# KiCad board combined.kicad_pcb (continued)
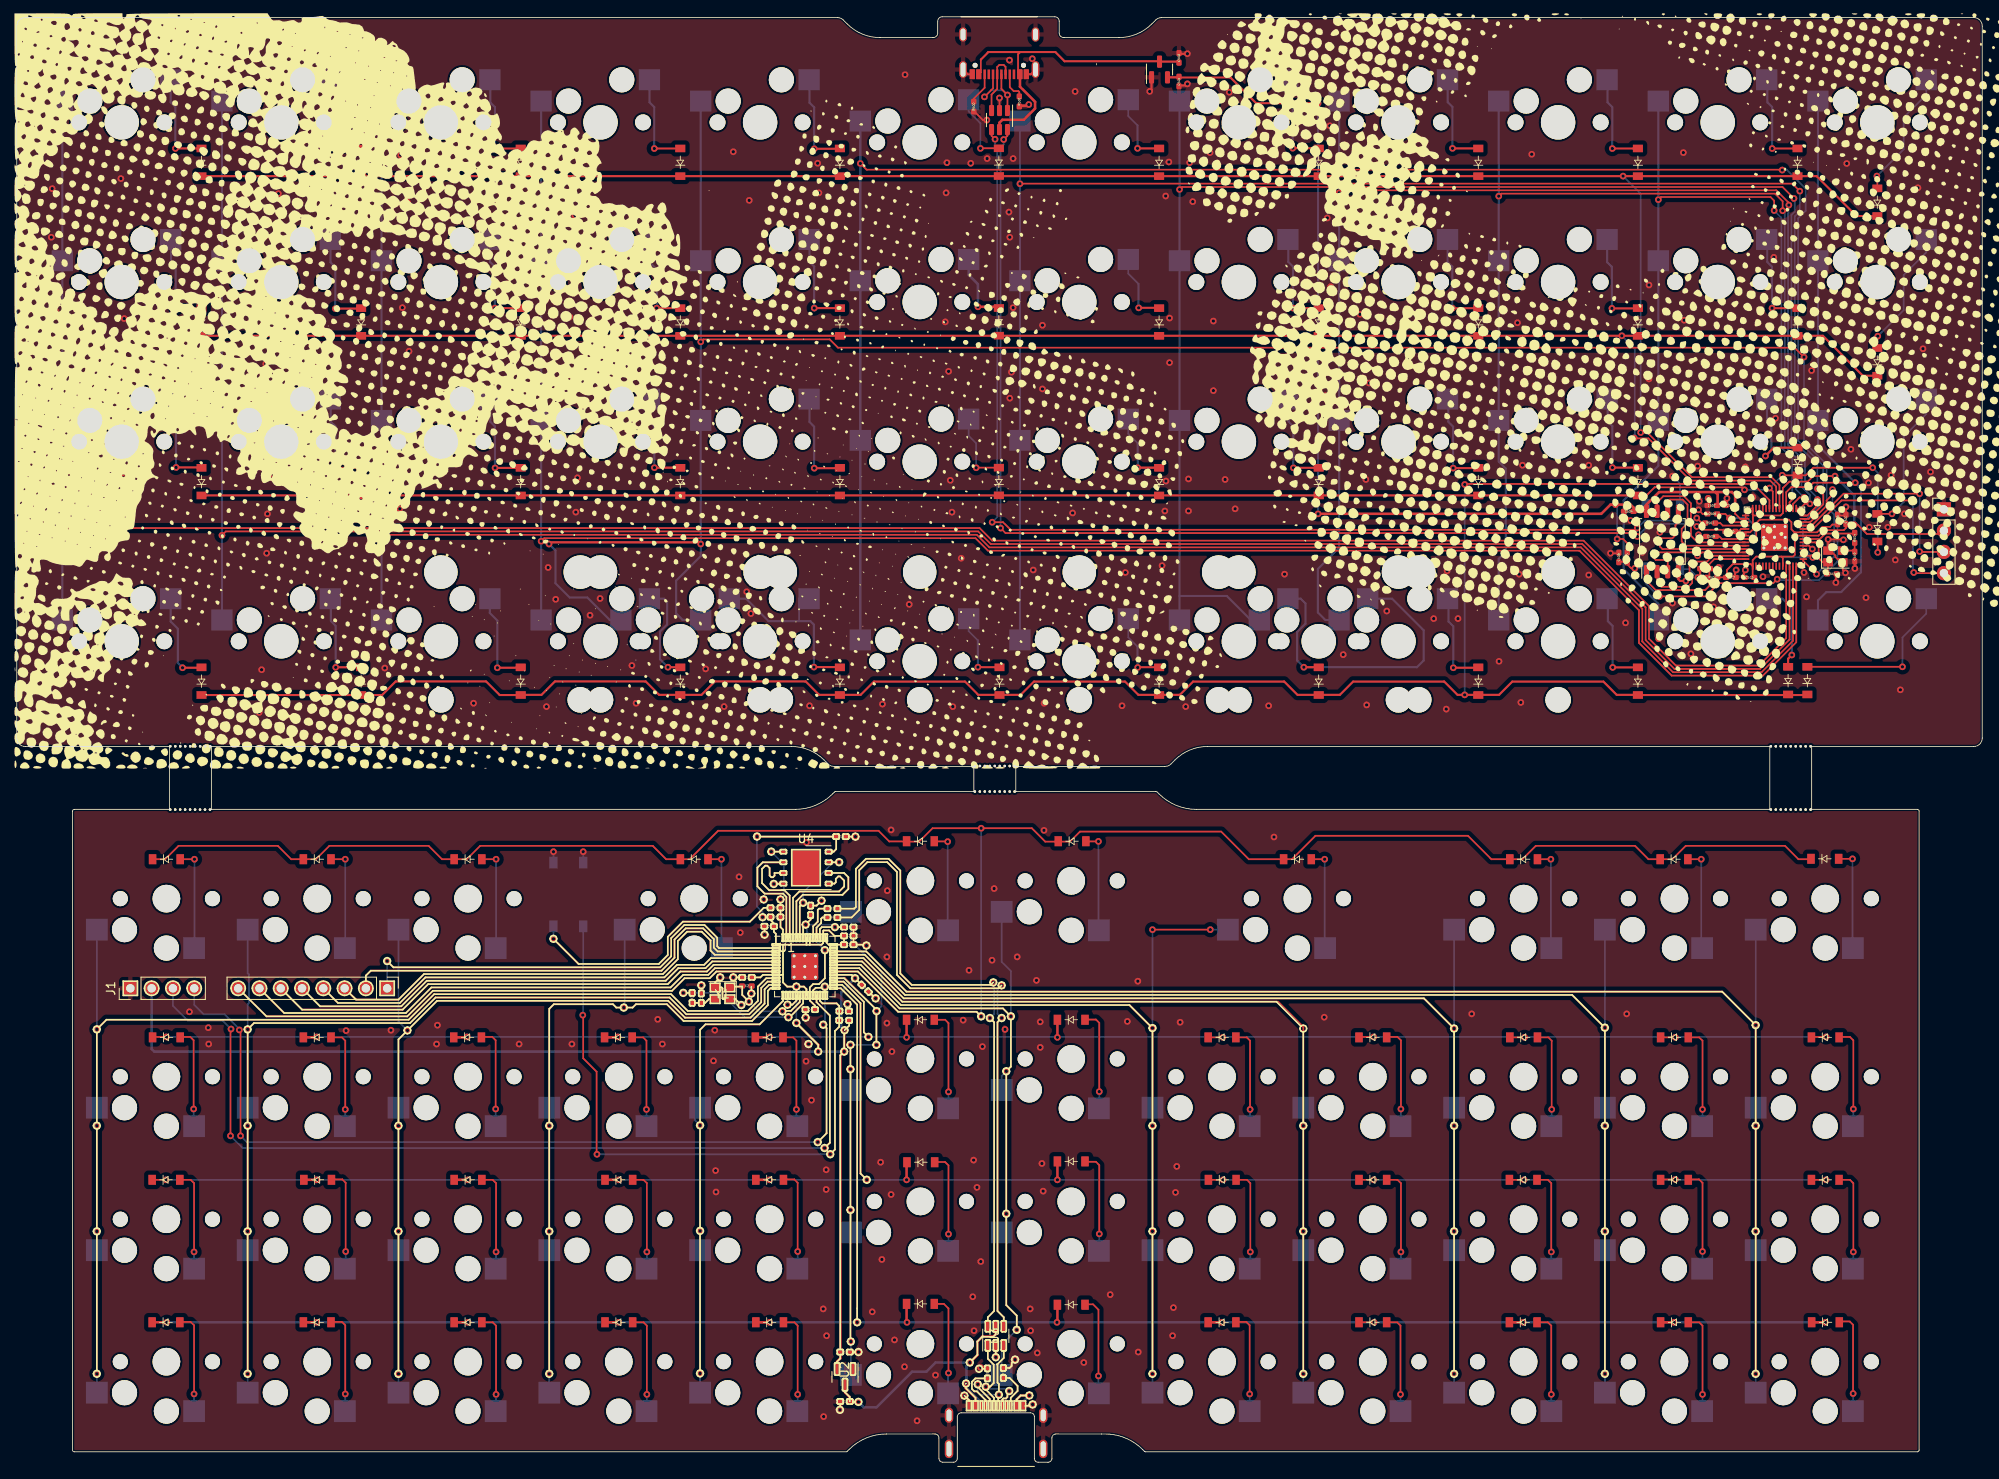
[diagram p0: board, top side]
## Nets
+1V1: C4.1 C5.1 C6.1 C505.1 C506.1 C508.1 U1.23 U1.45 U1.50 U503.23 U503.45 U503.50
+3.3V: C7.1 C8.1 C9.1 C10.1 C11.1 C13.1 C14.1 C501.1 C502.1 C503.1 C504.1 C507.1 C512.1 C513.1 J1.2 J501.2 R1.1 R8.2 R505.1 R507.2 U1.1 U1.10 U1.22 U1.33 U1.42 U1.43 U1.44 U1.48 U1.49 U2.2 U4.8 U500.2 U502.8 U503.1 U503.10 U503.22 U503.33 U503.42 U503.43 U503.44 U503.48 U503.49
GND: C2.1 C2#2.2 C3.2 C4.2 C5.2 C6.2 C7.2 C8.2 C9.2 C10.2 C11.2 C12.2 C13.2 C14.2 C500.2 C501.2 C502.2 C503.2 C504.2 C505.2 C506.2 C507.2 C508.2 C509.2 C510.1 C511.1 C512.2 C513.2 J1.1 J3.A1 J3.A12 J3.B1 J3.B12 J3.S1 J500.A1 J500.A12 J500.B1 J500.B12 J500.S1 J501.1 R6.2 R7.2 R500.2 R501.2 SW20.1 SW21.1 SW550.1 SW551.1 U1.19 U1.57 U2.1 U3.2 U4.4 U500.1 U501.2 U502.4 U503.19 U503.57 Y1.2 Y1.4 Y500.2 Y500.4
VBUS: C12.1 C500.1 J3.A4 J3.A9 J3.B4 J3.B9 J500.A4 J500.A9 J500.B4 J500.B9 U2.3 U3.5 U500.3 U501.5
Col_1: SW1.1 SW2.1 SW3.1 SW4.1 SW500.1 SW512.1 SW524.1 SW536.1 U1.40 U503.11
Col_2: SW5.1 SW6.1 SW7.1 SW8.1 SW501.1 SW513.1 SW525.1 SW537.1 U1.39 U503.12
Col_3: SW9.1 SW10.1 SW11.1 SW12.1 SW502.1 SW514.1 SW526.1 SW538.1 U1.38 U503.13
Col_4: SW13.1 SW14.1 SW15.1 SW503.1 SW515.1 SW527.1 SW539.1 U1.37 U503.14
Col_5: SW16.1 SW17.1 SW18.1 SW29.1 SW504.1 SW516.1 SW528.1 SW540.1 SW541.1 U1.36 U503.15
Col_6: SW23.1 SW24.1 SW25.1 SW26.1 SW510.1 SW522.1 SW534.1 SW548.1 U1.35 U503.16
Col_7: SW30.1 SW31.1 SW32.1 SW33.1 SW511.1 SW523.1 SW535.1 SW549.1 U1.32 U503.27
Col_8: SW37.1 SW38.1 SW39.1 SW505.1 SW517.1 SW529.1 SW542.1 SW543.1 U1.15 U503.28
Col_9: SW34.1 SW41.1 SW42.1 SW43.1 SW506.1 SW518.1 SW530.1 SW544.1 U1.14 U503.29
Col_10: SW44.1 SW45.1 SW46.1 SW47.1 SW507.1 SW519.1 SW531.1 SW545.1 U1.13 U503.30
Col_11: SW48.1 SW49.1 SW50.1 SW51.1 SW508.1 SW520.1 SW532.1 SW546.1 U1.12 U503.31
Col_12: SW52.1 SW53.1 SW54.1 SW55.1 SW509.1 SW521.1 SW533.1 SW547.1 U1.11 U503.32
D+: R3.2 R503.2 U3.6 U501.6
D-: R4.2 R502.2 U3.4 U501.4
QSPI_SCLK: U1.52 U4.6 U502.6 U503.52
QSPI_SD0: U1.53 U4.5 U502.5 U503.53
QSPI_SD1: U1.55 U4.2 U502.2 U503.55
QSPI_SD2: U1.54 U4.3 U502.3 U503.54
QSPI_SD3: U1.51 U4.7 U502.7 U503.51
QSPI_SS: R5.1 R8.1 R506.1 R507.1 U1.56 U4.1 U502.1 U503.56
Row_1: D1.1 D5.1 D10.1 D13.1 D16.1 D20.1 D24.1 D28.1 D32.1 D35.1 D39.1 D43.1 D500.1 D501.1 D502.1 D503.1 D504.1 D505.1 D506.1 D507.1 D508.1 D509.1 D510.1 D511.1 U1.29 U503.34
Row_2: D2.1 D6.1 D11.1 D14.1 D17.1 D21.1 D25.1 D29.1 D33.1 D36.1 D40.1 D44.1 D512.1 D513.1 D514.1 D515.1 D516.1 D517.1 D518.1 D519.1 D520.1 D521.1 D522.1 D523.1 U1.30 U503.35
Row_3: D3.1 D7.1 D12.1 D15.1 D18.1 D22.1 D26.1 D30.1 D34.1 D37.1 D41.1 D45.1 D524.1 D525.1 D526.1 D527.1 D528.1 D529.1 D530.1 D531.1 D532.1 D533.1 D534.1 D535.1 U1.31 U503.36
Row_4: D4.1 D8.1 D9.1 D19.1 D23.1 D27.1 D38.1 D42.1 D46.1 D48.1 D536.1 D537.1 D538.1 D539.1 D540.1 D541.1 D542.1 D543.1 D544.1 D545.1 D546.1 D547.1 U1.34 U503.37
Net-(C1-Pad2): C2#2.1 C511.2 U1.20 U503.20 Y1.1 Y500.1
Net-(C2-Pad2): C2.2 C510.2 R2.1 R504.1 Y1.3 Y500.3
Net-(C3-Pad1): C3.1 C509.1 R1.2 R505.2 SW20.2 SW551.2 U1.26 U503.26
Net-(D1-Pad2): D1.2 D500.2 SW1.2 SW500.2
Net-(D2-Pad2): D2.2 D512.2 SW2.2 SW512.2
Net-(D3-Pad2): D3.2 D525.2 SW3.2 SW524.2
Net-(D4-Pad2): D4.2 D536.2 SW4.2 SW536.2
Net-(D5-Pad2): D5.2 D501.2 SW5.2 SW501.2
Net-(D6-Pad2): D6.2 D513.2 SW6.2 SW513.2
Net-(D7-Pad2): D7.2 D526.2 SW7.2 SW525.2
Net-(D8-Pad2): D8.2 D537.2 SW8.2 SW537.2
Net-(D9-Pad2): D9.2 D538.2 SW12.2 SW538.2
Net-(D10-Pad2): D10.2 D502.2 SW9.2 SW502.2
Net-(D11-Pad2): D11.2 D514.2 SW10.2 SW514.2
Net-(D12-Pad2): D12.2 D527.2 SW11.2 SW526.2
Net-(D13-Pad2): D13.2 D503.2 SW13.2 SW503.2
Net-(D14-Pad2): D14.2 D515.2 SW14.2 SW515.2
Net-(D15-Pad2): D15.2 D528.2 SW15.2 SW527.2
Net-(D16-Pad2): D16.2 D504.2 SW16.2 SW504.2
Net-(D17-Pad2): D17.2 D516.2 SW17.2 SW516.2
Net-(D18-Pad2): D18.2 D529.2 SW18.2 SW528.2
Net-(D19-Pad2): D19.2 D540.2 SW29.2 SW540.2 SW541.2
Net-(D20-Pad2): D20.2 D505.2 SW23.2 SW510.2
Net-(D21-Pad2): D21.2 D517.2 SW24.2 SW522.2
Net-(D22-Pad2): D22.2 D530.2 SW25.2 SW534.2
Net-(D23-Pad2): D23.2 D541.2 SW26.2 SW548.2
Net-(D24-Pad2): D24.2 D506.2 SW30.2 SW511.2
Net-(D25-Pad2): D25.2 D518.2 SW31.2 SW523.2
Net-(D26-Pad2): D26.2 D531.2 SW32.2 SW535.2
Net-(D27-Pad2): D27.2 D542.2 SW33.2 SW549.2
Net-(D28-Pad2): D28.2 D507.2 SW37.2 SW505.2
Net-(D29-Pad2): D29.2 D519.2 SW38.2 SW517.2
Net-(D30-Pad2): D30.2 D532.2 SW39.2 SW529.2
Net-(D31-Pad2): D539.2 SW539.2
Net-(D32-Pad2): D32.2 D508.2 SW41.2 SW506.2
Net-(D33-Pad2): D33.2 D520.2 SW42.2 SW518.2
Net-(D34-Pad2): D34.2 D533.2 SW43.2 SW530.2
Net-(D35-Pad2): D35.2 D509.2 SW44.2 SW507.2
Net-(D36-Pad2): D36.2 D521.2 SW45.2 SW519.2
Net-(D37-Pad2): D37.2 D534.2 SW46.2 SW531.2
Net-(D38-Pad2): D38.2 D545.2 SW47.2 SW545.2
Net-(D39-Pad2): D39.2 D510.2 SW48.2 SW508.2
Net-(D40-Pad2): D40.2 D522.2 SW49.2 SW520.2
Net-(D41-Pad2): D41.2 D524.2 SW50.2 SW532.2
Net-(D42-Pad2): D42.2 D546.2 SW51.2 SW546.2
Net-(D43-Pad2): D43.2 D511.2 SW52.2 SW509.2
Net-(D44-Pad2): D44.2 D523.2 SW53.2 SW521.2
Net-(D45-Pad2): D45.2 D535.2 SW54.2 SW533.2
Net-(D46-Pad2): D46.2 D547.2 SW55.2 SW547.2
Net-(D47-Pad2): D543.2 SW542.2 SW543.2
Net-(D48-Pad2): D48.2 D544.2 SW34.2 SW544.2
Net-(J1-Pad3): J1.3 J501.3 U1.25 U503.25
Net-(J1-Pad4): J1.4 J501.4 U1.24 U503.24
Net-(J3-PadA5): J3.A5 J500.A5 R6.1 R501.1
Net-(J3-PadA6): J3.A6 J3.B6 J500.A6 J500.B6 U3.1 U501.1
Net-(J3-PadA7): J3.A7 J3.B7 J500.A7 J500.B7 U3.3 U501.3
Net-(J3-PadB5): J3.B5 J500.B5 R7.1 R500.1
Net-(R2-Pad2): R2.2 R504.2 U1.21 U503.21
Net-(R3-Pad1): R3.1 R503.1 U1.47 U503.47
Net-(R4-Pad1): R4.1 R502.1 U1.46 U503.46
Net-(R5-Pad2): R5.2 R506.2 SW21.2 SW550.2

Pads without a net: J3 A8 B8; J4 1 2 3 4 5 6 7 8; J500 A8 B8; U1 2 3 4 5 6 7 8 9 16 17 18 27 28 41; U4 9; U503 2 3 4 5 6 7 8 9 17 18 38 39 40 41

## Via types
v1: diameter 0.8, hole 0.4, Top to Bottom, 576 vias

## Routing (per net, layer and track width the routed paths; a pad name or vN(x,y) marks a point on that pad's centre or on a via; arc(x,y) is an arc through that point)
+1V1: length 50
  Top w0.2: U503.45 204.93,112.16 v1(204.43,112.66) 203.94,113.15 C505.1 ; 217.33,111.88 216.72,111.88 216.45,111.61 215.54,111.61 214.89,110.96 U503.23 212.18,110.96 211.83,111.31 211.83,112.16 211.53,112.46 208.03,112.46 207.63,112.06 207.63,110.36 v1(207.43,110.16) U503.50 203.53,110.16 203.23,110.46 202.71,110.46 ; C4.1 95.28,54.48 94.66,55.1 U1.23 94.66,56.65 95.06,57.05 95.76,57.05 96.46,57.74 v1(96.46,61.09) ; U1.50 93.86,63.85 v1(94.16,64.15) 94.76,64.75 C5.1 ; C6.1 v1(97.66,63.85) 96.09,63.85 95.86,63.61 U1.45
  Bottom w0.2: v1(207.43,110.16) 207.43,111.76 206.53,112.66 v1(204.43,112.66) ; v1(97.66,63.85) 97.36,64.15 v1(94.16,64.15) ; v1(96.46,61.09) 94.3,63.25 94.3,64
+3.3V: length 400.3
  Top w0.2: U4.8 97.51,72.85 97.81,73.15 97.81,74.61 97.78,74.64 ; U1.49 94.26,61.75 ; 94.26,61.75 91.46,61.75 ; 94.26,61.75 94.66,61.75 ; 210.63,108.06 207.63,108.06 207.2,107.63 U503.1 ; 210.63,108.06 212.03,108.06 212.23,108.26 212.23,110.18 212.6,110.56 U503.22 215.06,110.56 215.71,111.21 218.08,111.21 218.33,111.46 218.33,111.88 218.35,111.86 v1(219.33,111.86) 219.73,111.86 220.83,110.76 229.63,110.76 J501.2 ; 210.63,108.06 210.8,107.88 U503.10 ; v1(89.03,65.03) 89.05,65.05 R8.2 89.97,64.69 90.38,64.28 C9.1 90.38,63.28 90.61,63.05 90.61,61.76 U1.1 91.46,61.75 ; C10.1 v1(100.06,57.75) 99.66,58.15 97.6,58.15 ; 205.11,114.16 205.11,113.18 205.73,112.56 U503.44 U503.43 206.36,113.6 206.56,113.8 U503.42 207.2,113.08 ; 91.46,58.2 91.41,58.15 U1.10 ; 91.46,58.2 91.46,61.75 ; 91.46,58.2 91.46,57.25 91.96,56.75 v1(93.06,56.75) 93.96,56.75 94.26,56.45 U1.22 ; v1(98.81,51.55) 99.36,52.09 R1.1 ; 90.72,58.15 89.06,58.15 88.76,57.85 C11.1 ; U503.1 207.2,105.7 207.33,105.57 ; U503.1 206.96,107.16 204.83,107.16 204.13,106.46 204.13,105.57 204.12,105.58 203.05,105.58 ; U1.43 96.66,62 96.91,61.75 U1.42 C8.1 C7.1 ; v1(88.36,74.65) C14.1 ; U503.49 U503.48 206.9,110.96 207.23,111.29 207.23,113.06 207.2,113.08 ; 98.64,62.8 97.61,62.8 96.96,63.45 96.31,63.45 96.26,63.4 96.26,61.95 96.06,61.75 94.66,61.75 ; 94.66,61.75 U1.48 ; 207.2,113.08 207.33,112.96 210.53,112.96 210.8,113.23 U503.33 210.8,116.23 211.57,117 213.77,117 214.43,117.66 v1(217.03,117.66) ; v1(191.03,110.16) 191.73,110.16 192.23,109.66 192.23,108.47
  Top w0.25: U500.2 138.7,165.24 138.73,165.22 144.87,165.22 147.93,162.16 v1(155.33,162.16)
  Top w0.3: 205.11,114.16 205.11,115.38 204.73,115.76 202.73,115.76 ; 203.02,114.17 203.02,115.47 202.73,115.76 ; v1(95.66,49) 95.66,49.81 v1(93.06,52.41) ; 202.73,115.76 196.03,115.76 194.52,114.25 U502.8 193.01,113.46 193.01,113.88 192.63,114.26 v1(190.83,114.26) 190.23,114.26 189.13,113.16 v1(155.33,113.16) ; U2.2 97.91,12 98.29,12.38 C13.1 98.29,48.53 v1(98.76,49) 98.76,51.5 v1(98.81,51.55)
  Bottom w0.2: v1(191.03,110.16) 191.03,114.06 v1(190.83,114.26) ; v1(93.06,52.41) 93.06,56.7 ; v1(89.03,65.03) 89.03,65.62 88.34,66.31 88.34,74.48 88.36,74.5 v1(88.36,74.65)
  Bottom w0.25: v1(155.33,162.16) v1(155.33,113.16)
  Bottom w0.3: v1(219.33,111.86) 219.33,115.36 v1(217.03,117.66) ; v1(100.06,57.75) 98.41,56.1 98.41,51.95 v1(98.81,51.55) ; J1.2 16.1,49.31 16.41,49 v1(95.66,49) v1(98.76,49)
GND: length 73.2
  Top w0.2: v1(190.23,108.46) 190.25,108.44 191.23,108.44 ; v1(99.16,54.65) 99.33,54.48 C3.2 ; Y1.4 84.34,55.25 84.24,55.35 84.24,56.55 84.14,56.65 Y1.2 83.36,57.25 v1(83.96,57.85) ; C9.2 89.24,62.96 v1(89.26,62.95) ; 217.34,112.97 218.34,112.97 v1(218.34,113.99) ; J500.A12 113.52,165.6 J500.S1 ; 115.91,11.24 115.86,11.3 v1(115.06,11.3) ; 98.92,74.65 100.1,74.65 v1(100.1,74.64) ; v1(218.03,110.06) 217.98,110.11 v1(216.2,110.11) Y500.4 216.48,108.78 217.08,108.18 217.08,108.01 217.71,107.38 Y500.2 217.95,106.45 v1(218.28,106.13) ; v1(86.49,54.55) 85.79,55.25 84.36,55.25 84.26,55.35 ; v1(96.06,67) 95.48,66.41 C5.2 ; J3.A12 121.1,6.73 v1(121.26,6.9) ; v1(92.01,54.59) 92.58,54.59 93.06,55.08 U1.19 ; U501.2 117.3,162.77 v1(117.3,162.78) ; v1(115.79,160.14) 115.32,160.14 114.23,161.23 ; C505.2 201.22,113.15 v1(200.73,113.64) ; 86.56,57.85 v1(85.53,57.85) ; U3.2 v1(116.86,12.53) ; 201.9,114.16 201.9,114.99 ; 219.38,107.82 219.38,106.88 219.39,106.87 ; U503.19 213.93,109.36 v1(214.33,108.96) ; 87.73,56.75 87.73,55.97 v1(87.68,55.92) ; v1(192.63,112.36) 191.84,113.15 C504.2 ; 201.75,110.46 200.93,110.46 v1(200.73,110.66) ; C2.1 v1(81.71,56.9) ; 120.62,161.82 v1(120.8,161.99) ; v1(101.42,61.64) 101.32,61.75 C8.2 C6.2 ; v1(217.13,104.96) 217.13,104.96 217.13,106 ; v1(94.16,53.05) 94.19,53.08 94.19,54.05
  Top w0.25: v1(204.13,115.01) 204.15,114.99 204.15,114.16 ; U500.1 135.45,163.78 v1(135.23,163.56) ; U502.4 198.33,105.35 198.53,105.16 v1(199.23,105.16) ; v1(205.23,106.46) 205.09,106.32 205.09,105.57 ; v1(90.36,69) 90.4,69.04 U4.4 ; v1(206.33,106.46) 206.15,106.28 206.15,105.56 ; 138.73,168.04 139.71,168.04 v1(139.73,168.06) ; v1(119.16,12.24) 118.76,11.84 118.76,11.5 118.51,11.24 117.76,11.24 ; J500.A1 121.03,165.6 J500.S1 ; v1(139.73,164.46) 139.53,164.26 138.73,164.26
  Top w0.3: v1(113.11,7.95) 113.67,7.39 J3.A1 ; v1(120.8,161.99) 120.65,161.85 119.67,161.85 ; 101.46,56.34 102.46,55.35 v1(102.51,55.35) ; C12.2 98.29,6.28 v1(98.26,6.25) ; C13.2 v1(100.46,13.15)
  Bottom w0.2: SW21.1 v1(64.06,72.85) ; SW550.1 198.53,116.76 v1(197.63,117.66) ; SW20.1 v1(67.61,72.85)
  vias: v1(4.03,129.56) v1(4.13,146.16) v1(4.13,115.06) v1(4.23,151.96) v1(4.63,137.36) v1(11.23,104.26) v1(12.43,153.16) v1(12.63,118.06) v1(12.83,136.46) v1(20.61,53.75) v1(22.86,51.85) v1(22.91,49.9) v1(28.93,89.46) v1(29.23,94.56) v1(29.63,136.66) v1(29.73,131.06) v1(29.83,108.46) v1(29.93,113.16) v1(30.03,155.66) v1(30.23,117.46) v1(31.23,151.36) v1(39.31,51.5) v1(43.93,94.76) v1(44.66,51.55) v1(45.73,113.76) v1(45.83,155.96) v1(46.03,137.76) v1(46.13,118.06) v1(46.63,150.36) v1(46.83,132.56) v1(50.11,49.9) v1(50.21,52.15) v1(54.53,90.56) v1(59.96,49.9) v1(63.23,90.16) v1(63.43,106.76) v1(64.33,102.96) v1(66.03,136.66) v1(66.26,49.9) v1(66.33,129.56) v1(66.63,148.76) v1(66.73,113.36) v1(66.93,155.76) v1(66.93,117.46) v1(68.43,101.06) v1(69.63,103.06) v1(73.43,95.06) v1(73.93,90.56) v1(76.51,52.85) v1(77.06,49.9) v1(82.23,94.66) v1(83.16,47.9) v1(83.31,51.55) v1(83.41,34.8) v1(83.46,32.25) v1(84.43,90.16) v1(85.53,156.36) v1(86.21,69.85) v1(86.36,63.2) v1(87.13,103.86) v1(87.43,150.56) v1(87.63,101.26) v1(89.16,67.15) v1(94.26,73.95) v1(94.21,47.85) v1(94.51,49.9) v1(94.63,90.26) v1(94.86,43.2) v1(95.6,154.99) v1(95.75,151.46) v1(96.26,18.3) v1(96.31,5.45) v1(96.61,34.9) v1(96.61,32.55) v1(96.66,15.1) v1(102.11,17.95) v1(103.11,35.8) v1(103.26,24.2) v1(103.33,90.46) v1(103.86,60.3) v1(103.86,52.4) v1(103.91,68.2) v1(104.36,75.45) v1(104.36,31.95) v1(104.46,49) v1(104.76,14.6) v1(105.96,11.4) v1(106.03,165.56) v1(106.53,102.36) v1(107.46,4.95) v1(109.66,10.4) v1(110.83,136.06) v1(110.93,151.46) v1(111.03,155.06) v1(111.23,130.16) v1(111.43,117.16) v1(111.63,113.36) v1(111.73,90.16) v1(112.73,107.86) v1(112.96,52.75) v1(113.66,58.7) v1(113.87,154.99) v1(114.11,19.75) v1(114.21,36.05) v1(114.26,15.7) v1(114.61,32.8) v1(115.06,23.95) v1(115.26,49.6) v1(115.83,155.54) v1(116.41,59.9) v1(116.66,68.45) v1(117.96,51.65) v1(118.49,167.29) v1(118.43,149.16) v1(118.53,146.16) v1(118.53,126.96) v1(118.73,130.06) v1(118.93,155.54) v1(118.93,137.76) v1(119.41,60.3) v1(120.96,18.3) v1(121.01,15.7) v1(121.22,167.46) v1(121.33,106.46) v1(121.71,57.5) v1(121.81,13.05) v1(122.16,52.55) v1(122.16,49.5) v1(122.36,35.65) v1(122.43,135.66) v1(122.43,128.06) v1(122.51,32.35) v1(122.63,90.56) v1(122.61,75.4) v1(126.03,113.26) v1(126.33,163.56) v1(127.36,11.9) v1(130.51,20) v1(131.93,90.26) v1(132.33,106.16) v1(132.56,52.6) v1(133.81,57.4) v1(133.86,13.15) v1(136.71,106.98) v1(137.04,113.5) v1(137.14,151.08) v1(137.17,117.07) v1(137.52,155.14) v1(137.6,136.52) v1(137.6,131.2) v1(137.96,15.1) v1(138.06,18.45) v1(138.31,32.2) v1(138.46,35.3) v1(138.86,52.5) v1(139.53,90.16) v1(139.86,117.32) v1(139.86,113.5) v1(140,155.06) v1(140.37,150.41) v1(142.43,156.26) v1(142.83,136.16) v1(142.83,127.86) v1(144.23,117.26) v1(144.73,163.46) v1(145.43,113.76) v1(149.43,90.26) v1(150.06,74.6) v1(151.33,105.96) v1(156.06,53.1) v1(156.23,127.26) v1(156.43,148.46) v1(156.73,159.46) v1(156.83,140.26) v1(158.33,96.36) v1(160.33,136.96) v1(160.73,106.46) v1(161.03,117.26) v1(161.13,90.36) v1(161.43,128.76) v1(161.73,156.36) v1(163.53,101.56) v1(169.13,100.66) v1(170.63,89.86) v1(170.73,106.36) v1(172.03,100.66) v1(173.66,53.5) v1(176.93,95.56) v1(179.13,135.96) v1(179.33,105.96) v1(179.53,90.66) v1(179.73,118.96) v1(180.83,156.06) v1(181.23,128.46) v1(187.63,118.96) v1(187.63,105.86) v1(192.03,100.16) v1(192.16,53.5) v1(194.03,108.56) v1(194.83,140.46) v1(194.83,129.26) v1(195.98,98.26) v1(196.13,110.96) v1(197.63,102.51) v1(198.93,156.26) v1(199.03,136.26) v1(199.83,96.46) v1(200.63,118.86) v1(200.83,114.66) v1(201.13,129.56) v1(201.89,115.01) v1(202.53,102.06) v1(203.13,106.76) v1(206.33,118.76) v1(207.23,115.16) v1(208.43,105.66) v1(209.73,143.76) v1(209.93,124.56) v1(213.33,106.16) v1(213.63,103.26) v1(214.23,130.26) v1(218.43,154.96) v1(218.93,120.86) v1(219.4,106.64) v1(219.53,137.76) v1(220.73,103.16) v1(221.03,116.86) v1(221.13,111.56) v1(221.23,125.56) v1(223.33,111.56) v1(223.73,117.76) v1(224.23,107.66) v1(224.83,92.16) v1(225.33,113.16) v1(226.93,152.06) v1(227.53,132.86) v1(228.43,118.16)
VBUS: length 82.7
  Top w0.2: J500.A9 115.07,165.85 115.07,167.35 ; J500.A4 119.52,165.81 119.52,167.99 119.79,168.26
  Top w0.25: 115.07,167.35 115.98,168.26 123.97,168.26 125.07,167.16 136.36,167.16 U500.3 138.69,167.11 138.73,167.08
  Top w0.3: U2.3 98.86,8.35 99.43,7.78 C12.1 99.46,7.21 100.44,7.21 v1(100.46,7.2) ; v1(120.87,7.96) 119.83,7.96 119.34,7.48 J3.A9 ; v1(113.31,9.4) 113.26,9.35 113.26,8.86 114.44,7.68 J3.A4 ; v1(113.76,11.9) 114.66,12.8 114.66,14.4 115.24,14.98 116.56,14.98 116.86,15.28 U3.5 ; U501.5 117.3,159.83 117.64,160.17 120.2,160.17 121.55,161.52 121.55,162.32 119.75,164.12 119.75,165.39
  Bottom w0.3: v1(100.46,7.2) 101.11,6.55 102.61,6.55 106.86,10.8 108.56,10.8 109.66,11.9 v1(113.76,11.9) 113.36,11.5 113.36,8.9 115.36,6.9 119.8,6.9 v1(120.87,7.96)
(no net): length 481.3
  Top w0.2: U1.2 83.83,61.35 83.61,61.56 83.61,62.58 82.09,64.1 79.68,64.1 78.11,62.53 78.11,60.36 76.8,59.05 44.96,59.05 v1(44.21,59.8) ; U1.5 82.85,60.15 82.05,59.35 78.8,59.35 77.3,57.85 48.78,57.85 45.73,54.8 38.34,54.8 J4.4 ; J4.5 36.2,54.4 45.9,54.4 48.95,57.45 77.46,57.45 78.96,58.95 82.21,58.95 83.01,59.75 U1.6 ; U1.3 83.66,60.95 83.21,61.4 83.21,62.41 81.93,63.7 79.85,63.7 78.51,62.36 78.51,60.2 76.96,58.65 42.26,58.65 41.67,58.06 J4.2 ; J4.7 31.92,53.6 46.45,53.6 49.5,56.65 78.05,56.65 79.55,58.15 82.55,58.15 83.35,58.95 U1.8 ; U1.4 83.31,60.55 82.81,61.05 82.81,62.25 81.76,63.3 80.01,63.3 78.91,62.2 78.91,60.03 77.13,58.25 48.61,58.25 45.56,55.2 40.51,55.2 40.26,55.45 40.23,55.45 J4.3 ; U1.7 83.18,59.35 82.38,58.55 79.21,58.55 77.71,57.05 49.11,57.05 46.06,54 34.06,54 J4.6 ; U1.9 83.51,58.55 82.71,57.75 79.71,57.75 78.21,56.25 49.66,56.25 46.61,53.2 29.81,53.2 26.46,56.55 J4.8
  Bottom w0.2: v1(44.21,59.8) J4.1
Col_1: length 460
  Top w0.2: v1(207.56,10.55) v1(207.56,27.55) v1(207.56,40.15) v1(207.56,52.15) 203.56,56.15 106.2,56.15 101.4,60.95 97.6,60.95 ; v1(5.44,111.46) 114.93,111.46 116.43,109.96 187.02,109.96 194.83,102.16 194.83,98.26 198.03,95.06 207.93,95.06 211.2,98.33 U503.11
  Bottom w0.2: SW3.1 v1(207.56,40.15) ; SW1.1 v1(207.56,10.55) ; SW2.1 v1(207.56,27.55) ; v1(207.56,52.15) SW4.1
  Bottom w0.25: SW536.1 v1(5.44,111.46) SW500.1
Col_2: length 423.7
  Top w0.2: v1(189.56,10.55) v1(189.56,27.55) v1(189.56,40.15) v1(189.56,51.85) 185.66,55.75 106.03,55.75 101.23,60.55 97.6,60.55 ; U503.12 211.6,98.17 208.09,94.66 197.86,94.66 194.43,98.09 194.43,101.99 186.86,109.56 116.26,109.56 114.76,111.06 24.96,111.06 v1(24.49,110.59)
  Bottom w0.2: v1(189.56,51.85) SW8.1 ; SW7.1 v1(189.56,40.15) ; SW6.1 v1(189.56,27.55) ; SW5.1 v1(189.56,10.55)
  Bottom w0.25: SW501.1 v1(24.49,110.59) SW537.1
Col_3: length 387.2
  Top w0.2: U503.13 212,98 208.26,94.26 197.69,94.26 194.03,97.93 194.03,101.82 186.69,109.16 116.09,109.16 114.59,110.66 44.06,110.66 v1(43.54,110.14) ; 97.6,60.15 101.06,60.15 105.86,55.35 167.96,55.35 v1(171.56,51.75) v1(171.56,40.15) v1(171.56,27.55) v1(171.56,10.55)
  Bottom w0.2: SW10.1 v1(171.56,27.55) ; v1(171.56,51.75) SW12.1 ; SW9.1 v1(171.56,10.55) ; SW11.1 v1(171.56,40.15)
  Bottom w0.25: SW538.1 v1(43.54,110.14) SW502.1
Col_4: length 338.9
  Top w0.2: v1(153.56,10.55) v1(153.56,27.55) v1(153.56,40.15) 153.56,51.95 150.56,54.95 105.7,54.95 100.9,59.75 97.6,59.75 ; v1(62.59,109.89) 62.96,110.26 114.43,110.26 115.93,108.76 186.53,108.76 193.63,101.66 193.63,97.76 197.53,93.86 208.42,93.86 212.4,97.84 U503.14
  Bottom w0.2: SW14.1 v1(153.56,27.55) ; SW13.1 v1(153.56,10.55) ; SW15.1 v1(153.56,40.15)
  Bottom w0.25: SW539.1 v1(62.59,109.89) SW503.1
Col_5: length 370.5
  Top w0.2: v1(81.64,133.68) 81.94,133.98 97.03,133.98 98.02,132.98 212.21,132.98 v1(213.33,131.86) ; U503.15 213.24,107.55 v1(214.83,105.96) ; v1(142.46,63.55) v1(135.56,63.55) ; v1(135.56,10.55) v1(135.56,27.55) v1(135.56,40.15) v1(135.56,51.8) 132.81,54.55 105.53,54.55 100.73,59.35 97.6,59.35
  Top w0.25: v1(81.64,109.56) 81.44,109.76 63.73,109.76 v1(63.53,109.56)
  Bottom w0.2: v1(214.83,105.96) 216.93,108.06 216.93,113.09 216.03,113.99 216.03,119.06 213.33,121.76 v1(213.33,131.86) ; SW16.1 v1(135.56,10.55) ; v1(135.56,51.8) v1(135.56,63.55) ; SW29.1 v1(142.46,63.55) ; SW18.1 v1(135.56,40.15) ; SW17.1 v1(135.56,27.55)
  Bottom w0.25: SW504.1 SW528.1 v1(81.64,109.56) 81.64,108.12 78.7,105.18 78.7,101.28 79.47,100.51 80.45,100.51 ; v1(63.53,109.56) 64.3,108.79 64.3,104.88 66,103.18 68.1,103.18 70.79,100.49 SW540.1
Col_6: length 313.2
  Top w0.2: 97.6,58.95 100.57,58.95 105.37,54.15 117.71,54.15 v1(118.66,53.2) 118.66,47.2 v1(118.11,46.65) v1(118.11,29.65) 118.11,18.75 119.36,17.5 v1(119.36,15.8) ; U503.16 214.18,108.16 v1(214.38,107.96) ; v1(210.73,154.18) 210.68,154.22 101.43,154.22 v1(100.69,154.96)
  Bottom w0.2: v1(118.11,46.65) 117.56,46.1 SW25.1 ; v1(118.66,53.2) 118.66,58.6 117.56,59.7 SW26.1 ; v1(210.73,154.18) 211.3,154.18 213.53,151.95 213.53,149.32 212.63,148.42 212.63,121.89 215.63,118.89 215.63,114.51 213.19,112.07 213.19,109.11 214.33,107.96 v1(214.38,107.96) 210.88,107.96 ; v1(119.36,15.8) 117.56,14 SW23.1 ; 118.11,27.4 v1(118.11,29.65)
  Bottom w0.3: SW510.1 v1(100.69,154.96) SW522.1 SW548.1
Col_7: length 269.6
  Top w0.2: 97.6,57.75 98.86,57.75 102.71,53.9 v1(102.63,53.82) 102.61,53.8 v1(102.61,49.8) ; v1(99.56,14.4) 99.51,14.45 v1(99.51,30.1) v1(99.51,46.9) v1(99.51,49.8) ; v1(214.93,116.16) 215.63,115.46 215.63,114.29 213.89,112.56 U503.27 ; v1(119.74,152.54) 119.76,152.56 211.93,152.56 v1(212.83,151.66)
  Bottom w0.2: v1(99.51,30.1) 99.56,30.05 SW31.1 ; v1(99.51,46.9) 99.56,46.85 SW32.1 ; SW33.1 99.56,62.2 103.21,58.55 103.21,54.4 v1(102.63,53.82) ; v1(99.51,49.8) v1(102.61,49.8) ; v1(214.93,116.16) 214.93,119.03 212.23,121.73 212.23,148.65 212.83,149.25 v1(212.83,151.66) ; v1(119.74,152.54) SW511.1 ; v1(99.56,14.4) SW30.1
  Bottom w0.25: v1(119.74,152.54) SW549.1
Col_8: length 246.9
  Top w0.2: v1(214.93,114.86) 214.93,114.16 213.73,112.96 U503.28 ; v1(212.13,150.79) 210.76,152.16 139.09,152.16 v1(138.79,151.86) ; U1.15 91.46,55.04 88.67,52.25 82.21,52.25 81.56,51.6 v1(81.56,40.2) v1(81.56,27.6) v1(81.56,10.6)
  Bottom w0.2: v1(214.93,114.86) 214.93,115.07 213.44,116.56 213.44,119.95 211.83,121.56 211.83,148.82 212.22,149.21 212.22,150.7 v1(212.13,150.79) ; 80.96,42.4 80.96,40.8 v1(81.56,40.2) ; 81.56,25.35 v1(81.56,27.6) ; 81.56,8.35 v1(81.56,10.6)
  Bottom w0.25: SW543.1 147.29,100.49 144.43,103.36 138.83,103.36 138.79,103.32 ; 138.79,103.32 SW505.1 ; 138.79,103.32 SW542.1
Col_9: length 249
  Top w0.2: v1(157.84,151.46) 158.14,151.76 210.03,151.76 211.52,150.26 v1(211.52,150) ; v1(214.03,114.36) 213.43,114.36 212.86,113.8 U503.29 ; v1(63.56,10.55) v1(63.56,27.55) v1(63.56,40.15) 63.56,54.1 64.11,54.65 71.16,54.65 71.56,54.25 v1(72.46,54.25) 73.51,54.25 73.91,54.65 77.6,54.65 79.6,52.65 87.76,52.65 89.66,54.55 89.66,56.25 89.96,56.55 U1.14
  Bottom w0.2: SW43.1 v1(63.56,40.15) ; v1(211.52,150) 211.31,149.79 211.48,149.61 211.48,149.03 211.43,148.98 211.43,121.4 213.03,119.8 213.03,116.41 214.03,115.41 v1(214.03,114.36) ; SW34.1 72.56,54.35 v1(72.46,54.25) ; SW41.1 v1(63.56,10.55) ; SW42.1 v1(63.56,27.55)
  Bottom w0.25: SW544.1 156.19,100.49 155.3,101.38 155.3,106.58 157.84,109.12 SW530.1 SW506.1
Col_10: length 245
  Top w0.2: v1(176.89,151.06) 177.19,151.36 209.86,151.36 210.78,150.44 v1(210.78,149.32) ; v1(45.56,10.55) v1(45.56,27.55) v1(45.56,40.15) 45.56,50.45 v1(46.64,51.52) 50.16,55.05 77.76,55.05 79.76,53.05 87.6,53.05 89.26,54.71 89.26,56.41 89.79,56.95 U1.13 ; U503.30 212,114.33 212.79,115.12 v1(213.33,115.12)
  Bottom w0.2: v1(213.33,115.12) 212.33,116.12 212.33,119.93 211.03,121.23 211.03,149.08 v1(210.78,149.32) ; SW45.1 v1(45.56,27.55) ; SW47.1 45.56,52.6 v1(46.64,51.52) ; SW44.1 v1(45.56,10.55) ; SW46.1 v1(45.56,40.15)
  Bottom w0.25: SW545.1 176.89,107.79 177.73,108.63 177.73,118.56 176.89,119.39 SW507.1
Col_11: length 245.1
  Top w0.2: v1(27.56,10.55) v1(27.56,27.55) v1(27.56,40.15) 27.56,51.64 v1(27.57,51.64) 28.32,52.4 46.95,52.4 50,55.45 77.93,55.45 79.93,53.45 87.43,53.45 88.86,54.88 88.86,56.58 89.63,57.35 U1.12 ; v1(195.94,150.64) 196.26,150.96 209.33,150.96 209.76,150.52 v1(209.76,149.35) ; U503.31 211.6,114.53 211.94,114.87 v1(211.94,115.26)
  Bottom w0.2: SW51.1 27.56,58.35 27.71,58.2 27.71,54.8 27.56,54.64 27.56,51.65 v1(27.57,51.64) ; SW48.1 v1(27.56,10.55) ; SW49.1 v1(27.56,27.55) ; SW50.1 v1(27.56,40.15) ; v1(211.94,115.26) 211.93,115.27 211.93,119.76 210.63,121.06 210.63,148.49 v1(209.76,149.35)
  Bottom w0.25: SW508.1 v1(195.94,150.64) 195.94,118.9 191.8,114.76 191.8,106.56 195.94,102.42 SW546.1
Col_12: length 223.7
  Top w0.2: U503.32 211.2,115.73 211.83,116.36 213.93,116.36 214.44,116.87 v1(219.44,116.87) ; v1(9.56,10.55) v1(9.56,27.55) v1(9.56,40.15) v1(9.56,51.65) 10.71,52.8 46.78,52.8 49.83,55.85 78.09,55.85 80.09,53.85 87.26,53.85 88.46,55.04 88.46,56.75 89.46,57.75 U1.11
  Bottom w0.2: v1(9.56,51.65) SW55.1 ; SW54.1 v1(9.56,40.15) ; SW53.1 v1(9.56,27.55) ; SW52.1 v1(9.56,10.55)
  Bottom w0.25: SW547.1 214.99,102.82 215.99,103.82 217.76,103.82 220.13,106.19 220.13,116.19 v1(219.44,116.87) 214.99,121.32 SW509.1
D+: length 215
  Top w0.2: v1(116.56,57.25) 116.26,56.95 106.83,56.95 105.46,58.31 105.46,70.6 104.06,72 101.36,72 100.16,70.8 100.16,66.25 99.96,66.05 R3.2 ; v1(117.43,111.46) 118.03,110.86 193.03,110.86 v1(193.43,110.46) ; 204.03,111.06 203.83,111.26 201.12,111.26 200.72,111.66 v1(200.52,111.66) ; v1(116.16,53) 116.66,52.5 116.66,18.05 115.91,17.3 U3.6 ; 118.25,158.98 118.25,158.28 v1(117.79,157.82)
  Bottom w0.2: v1(117.79,157.82) 117.79,157.23 117.43,156.86 v1(117.43,111.46) ; v1(116.56,57.25) 116.66,57.15 116.66,53.5 v1(116.16,53) ; v1(193.43,110.46) 194.92,111.96 200.22,111.96 v1(200.52,111.66)
D-: length 214
  Top w0.2: v1(116.43,112.16) 117.73,112.16 118.63,111.26 193.23,111.26 v1(193.43,111.46) ; R4.2 99.66,65 100.56,65.9 100.56,70.63 101.53,71.6 103.9,71.6 105.06,70.43 105.06,58.15 106.66,56.55 117.21,56.55 v1(117.56,56.9) ; 201.62,112.06 201.12,112.06 v1(200.52,112.66) ; U3.4 117.81,17.3 117.06,18.05 117.06,52.5 v1(117.56,53) ; v1(116.77,157.85) 116.35,158.27 116.35,158.98
  Bottom w0.2: v1(117.56,56.9) 117.06,56.4 117.06,53.5 v1(117.56,53) ; v1(200.52,112.66) 200.23,112.36 194.33,112.36 v1(193.43,111.46) ; v1(116.43,112.16) 117.03,112.76 117.03,156.86 116.77,157.12 v1(116.77,157.85)
QSPI_SCLK: length 31.5
  Top w0.2: U1.52 93.06,66.94 93.82,67.7 98.56,67.7 99.26,68.4 99.26,69.8 98.75,70.31 U4.6 ; U503.52 199.23,109.36 198.73,109.86 198.73,111.36 199.43,112.06 199.43,114.26 198.83,114.86 197.33,114.86 197.06,114.59 U502.6
QSPI_SD0: length 31
  Top w0.2: U1.53 92.66,67.35 93.41,68.1 98.16,68.1 98.76,68.7 98.76,69.4 98.26,69.9 98.06,69.9 97.76,69.6 97.76,69.2 97.6,69.04 U4.5 ; U502.5 198.33,113.45 198.33,112.16 197.98,111.81 197.98,110.61 197.63,110.26 196.33,110.26 196.13,110.06 196.13,109.26 196.43,108.96 U503.53
QSPI_SD1: length 29.6
  Top w0.2: U4.2 89.04,71.58 88.41,70.94 88.41,68.71 89.27,67.84 91.47,67.84 91.86,67.45 U1.55 ; U503.55 202.46,108.16 201.76,107.46 200.23,107.46 199.67,106.9 199.67,105.71 199.98,105.4 199.98,104.92 199.52,104.46 196.33,104.46 195.79,104.99 U502.2
QSPI_SD2: length 30.4
  Top w0.2: U503.54 201.23,108.56 arc(201.01,108.47) 200.93,108.26 200.93,108.16 arc(200.84,107.95) 200.63,107.86 arc(200.41,107.95) 200.33,108.16 200.33,108.26 arc(200.24,108.47) 200.03,108.56 195.53,108.56 195.33,108.36 195.33,107.96 195.63,107.66 196.93,107.66 197.06,107.52 U502.3 ; U1.54 92.26,67.61 91.63,68.24 89.82,68.24 88.96,69.1 88.96,70.8 89.34,71.18 89.58,71.18 89.86,70.9 89.86,70 90.06,69.8 90.26,69.8 90.45,69.99 90.45,70.31 U4.3
QSPI_SD3: length 29.1
  Top w0.2: U1.51 93.46,66.35 v1(93.86,66.75) ; U4.7 98.14,71.58 v1(98.16,71.6) ; 206.3,109.76 200.63,109.76 199.83,110.56 199.83,114.42 198.99,115.26 196.53,115.26 195.79,114.52 U502.7
  Bottom w0.2: v1(93.86,66.75) 93.86,68 97.46,71.6 v1(98.16,71.6)
QSPI_SS: length 29.1
  Top w0.2: U503.56 202.62,107.76 202.03,107.16 202.03,104.56 201.53,104.06 195.63,104.06 194.52,105.16 U502.1 ; U1.56 91.46,63.55 91.16,63.85 v1(91.16,67.14) ; U4.1 v1(90.06,72.85)
  Bottom w0.2: v1(91.16,67.14) 91.56,67.54 91.56,71.35 v1(90.06,72.85)
Row_1: length 517.3
  Top w0.2: 100.31,16.8 100.31,18.35 ; 100.31,18.35 v1(100.31,16.7) ; 100.31,18.35 100.31,54.6 98.36,56.55 97.6,56.55 ; v1(193.83,122.86) 194.63,122.86 199.96,117.53 209.46,117.53 210.4,116.58 U503.34 ; D13.1 v1(162.01,16.7)
  Top w0.25: D511.1 219.59,148.69 214.83,153.45 D510.1 v1(191.73,153.45) D504.1 D500.1
  Top w0.3: D16.1 v1(143.86,16.7) ; 124.21,18.85 124.21,16.75 v1(124.16,16.7) ; v1(17.91,16.7) D43.1 ; D28.1 v1(89.86,16.7) ; D10.1 v1(179.81,16.7) ; D32.1 v1(71.86,16.7) ; v1(106.26,16.7) 106.21,16.75 106.21,18.85 ; D5.1 v1(197.81,16.7) ; D1.1 v1(215.86,16.7) ; D39.1 v1(35.81,16.7) ; D35.1 v1(53.86,16.7)
  Bottom w0.2: v1(191.73,153.45) 193.83,151.36 v1(193.83,122.86)
  Bottom w0.3: v1(17.91,16.7) v1(35.81,16.7) v1(53.86,16.7) v1(71.86,16.7) v1(89.86,16.7) v1(100.31,16.7) v1(106.26,16.7) v1(124.16,16.7) v1(143.86,16.7) v1(179.81,16.7) v1(197.81,16.7) v1(215.86,16.7)
Row_2: length 481.7
  Top w0.2: D11.1 v1(179.91,33.7) ; U503.35 210,116.42 209.29,117.13 199.79,117.13 194.76,122.16 193.12,122.16 v1(193.06,122.22) ; v1(101.46,33.7) 100.71,34.45 100.71,54.76 98.53,56.95 97.6,56.95 ; v1(17.81,33.7) D44.1 ; 196.21,33.75 v1(197.96,33.75) ; D2.1 v1(215.96,33.7) ; D17.1 v1(143.99,33.7) ; D14.1 v1(161.96,33.7)
  Top w0.25: D512.1 D516.1 v1(191.58,134.4) D522.1 215.58,134.4 220.34,129.64 D523.1
  Top w0.3: D29.1 v1(89.86,33.7) ; D36.1 v1(53.86,33.7) ; v1(106.21,33.7) 106.21,35.82 ; D33.1 v1(71.86,33.7) ; D40.1 v1(35.81,33.7) ; v1(124.21,33.7) 124.21,35.85
  Bottom w0.2: v1(191.58,134.4) 193.13,132.86 193.13,122.57 193.27,122.43 v1(193.06,122.22) ; v1(17.81,33.7) v1(35.81,33.7) v1(53.86,33.7) v1(71.86,33.7) v1(89.86,33.7) v1(101.46,33.7) v1(106.21,33.7) v1(124.21,33.7) v1(215.96,33.7)
Row_3: length 443.7
  Top w0.2: D18.1 v1(143.96,50.7) ; 160.21,50.75 v1(161.96,50.75) ; D535.1 222.13,109.81 v1(222.13,108.56) ; v1(221.53,118.66) 214.43,118.66 213.52,117.75 D524.1 210.73,117.75 v1(210.73,117.76) ; v1(206.23,116.03) 205.93,116.33 195.49,116.33 194.52,115.35 D534.1 ; v1(17.86,50.75) 16.26,50.75 D45.1 ; v1(101.66,50.75) 101.11,51.3 101.11,54.93 98.69,57.35 97.6,57.35 ; D12.1 v1(179.96,50.7) ; v1(209.2,116.23) 209.6,115.83 U503.36 ; 214.21,50.75 v1(215.96,50.75) ; D7.1 v1(197.96,50.7)
  Top w0.25: D534.1 D529.1 D525.1
  Top w0.3: v1(35.81,50.75) 35.76,50.7 D41.1 ; v1(53.76,50.75) 53.71,50.7 D37.1 ; v1(71.76,50.75) 71.71,50.7 D34.1 ; v1(89.86,50.75) 89.81,50.7 D30.1 ; v1(106.21,50.7) D26.1 ; v1(124.21,50.7) 124.21,52.82
  Bottom w0.2: v1(215.96,50.75) 124.26,50.75 v1(124.21,50.7) 124.16,50.75 106.26,50.75 v1(106.21,50.7) 106.16,50.75 v1(101.66,50.75) v1(89.86,50.75) v1(71.76,50.75) v1(53.76,50.75) v1(35.81,50.75) v1(17.86,50.75) ; v1(206.23,116.03) 208.99,116.03 v1(209.2,116.23) v1(210.73,117.76) ; v1(222.13,108.56) 222.13,118.06 v1(221.53,118.66)
Row_4: length 519.8
  Top w0.2: 97.6,58.55 100.4,58.55 105.2,53.75 114.56,53.75 v1(115.11,53.2) ; U503.37 209.2,114.78 207.26,116.73 172.89,116.73 v1(172.83,116.66) ; 196.11,71.95 197.61,71.95 199.21,73.55 211.06,73.55 212.66,71.95 214.11,71.95 ; 106.21,74.07 104.14,74.07 102.86,75.35 83.71,75.35 80.31,71.95 D48.1 77.51,71.95 75.91,73.55 55.31,73.55 53.71,71.95 D38.1 50.76,71.95 49.16,73.55 37.31,73.55 35.71,71.95 D42.1 32.76,71.95 31.16,73.55 19.31,73.55 17.71,71.95 D46.1 ; 106.21,74.05 107.71,74.05 109.31,75.65 v1(115.11,75.65) 121.16,75.65 122.76,74.05 125.71,74.05 126.91,75.25 143.76,75.25 147.06,71.95 D19.1 152.21,71.95 155.01,74.75 173.21,74.75 176.01,71.95 D9.1 179.71,71.95 181.31,73.55 193.16,73.55 194.76,71.95 196.21,71.95
  Top w0.25: 98.28,91.56 95.77,91.56 94.17,93.16 83.33,93.16 81.73,91.56 79.23,91.56 ; 155.43,91.56 157.93,91.56 159.51,93.15 170.38,93.15 171.97,91.56 v1(172.83,91.56) 174.48,91.56 ; 117.33,91.56 119.83,91.56 121.41,93.15 132.28,93.15 133.87,91.56 136.38,91.56 ; 79.18,91.56 76.67,91.56 75.07,93.16 64.23,93.16 62.63,91.56 60.13,91.56 ; 193.48,91.56 190.97,91.56 189.38,93.15 178.51,93.15 176.93,91.56 174.43,91.56 ; D536.1 D537.1 43.61,91.54 45.23,93.16 56.03,93.16 57.64,91.54 D538.1 ; D545.1 213.66,91.54 D547.1 ; 136.33,91.56 138.83,91.56 140.41,93.15 151.28,93.15 152.87,91.56 155.38,91.56 ; 98.23,91.56 100.73,91.56 102.31,93.15 113.18,93.15 114.77,91.56 117.28,91.56
  Bottom w0.2: v1(172.83,116.66) v1(172.83,91.56) ; v1(115.11,53.2) v1(115.11,75.65)
